# Altium PCB CableNodeRevG.PcbDoc (part 1 of 3) (continued)
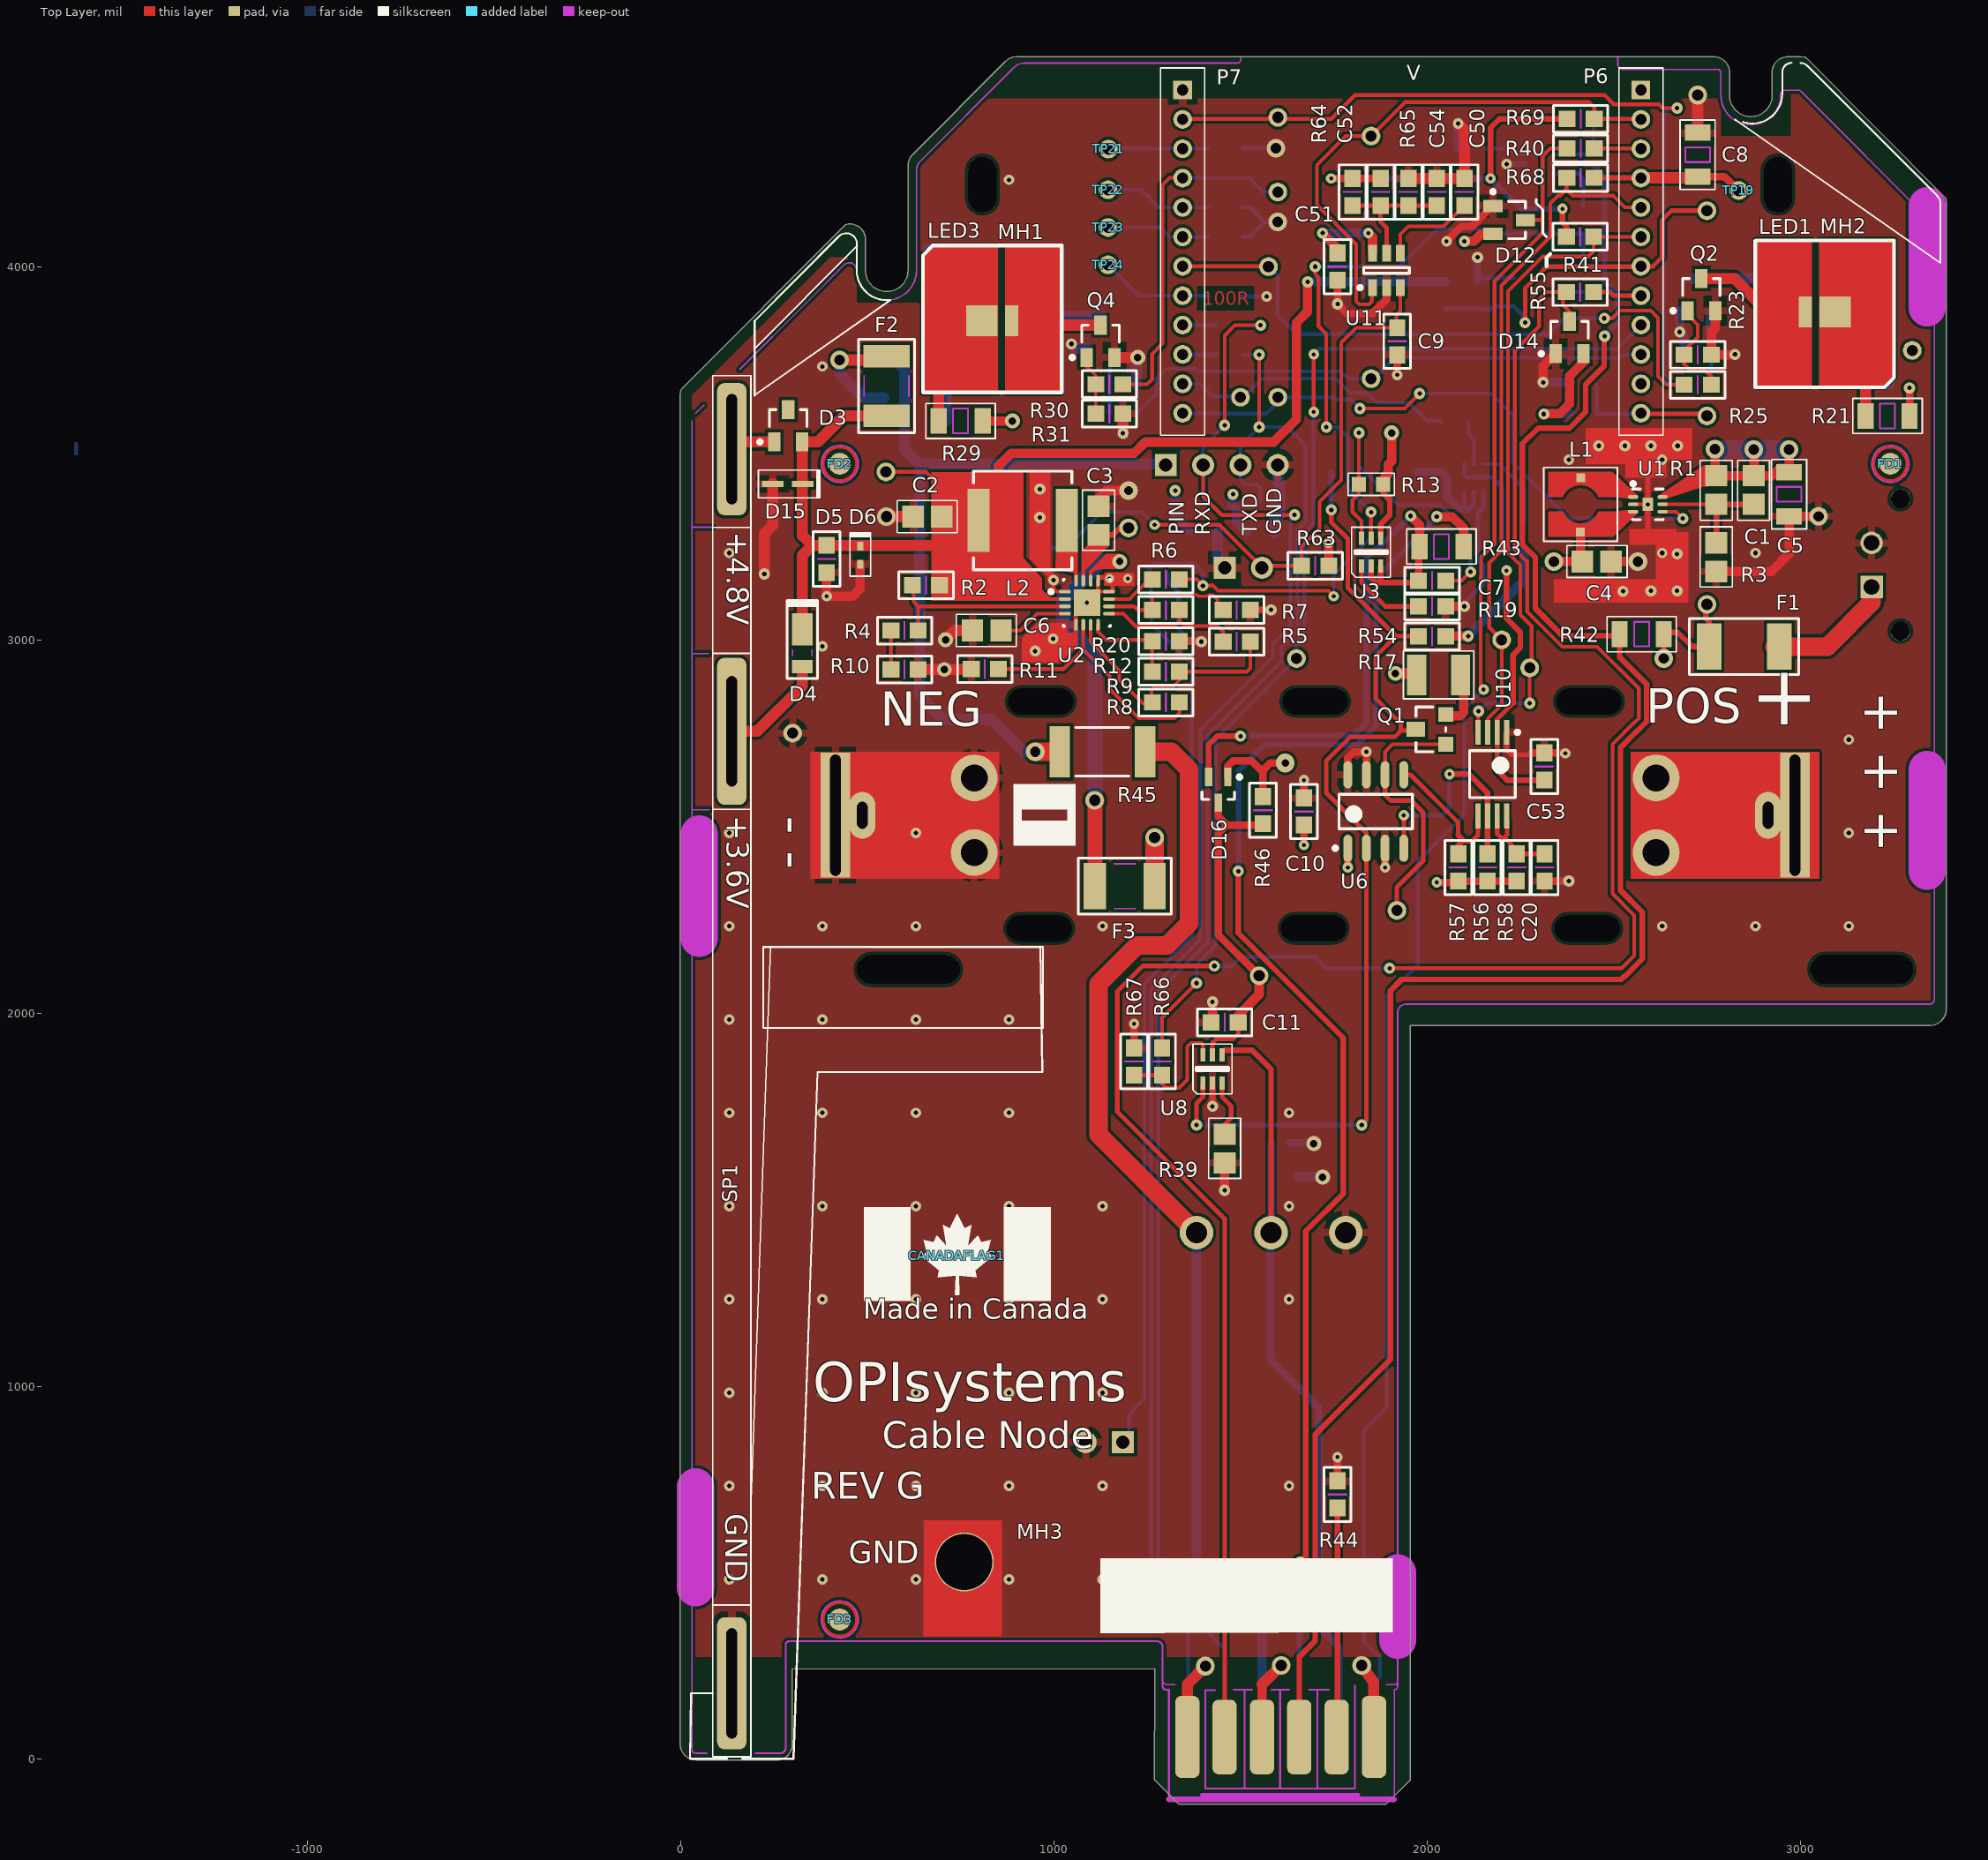
[diagram p0: Top Layer view]
## Design rules (kind name [scope] priority, off if disabled: settings)
AssemblyTestPointUsage [All] p1 off: valid=2
AssemblyTestpoint [All] p1 off: testpointundercomponent=TRUE minsize=40 maxsize=100 preferedsize=60 minholesize=0 maxholesize=40 preferedholesize=32 testpointgrid=1 usegrid=TRUE gridtolerance=0.01 allowsidetop=TRUE allowsidebottom=TRUE
Clearance Clearance_U10 [InComponent('U10')] p1: gap=5 ignorepadtopadclearanceinfootprint=FALSE except(0: Arc-Hole Track-Hole SMDPad-Hole THPad-Hole Via-Hole Fill-Hole Poly-Hole Region-Hole Text-Hole)
Clearance Clearance_U2 [InComponent('U2')] p2: gap=7.5 ignorepadtopadclearanceinfootprint=FALSE except(0: Arc-Hole Track-Hole SMDPad-Hole THPad-Hole Via-Hole Fill-Hole Poly-Hole Region-Hole Text-Hole)
Clearance Clearance_1 [All] p3: gap=8 ignorepadtopadclearanceinfootprint=FALSE except(0: Arc-Hole Track-Hole SMDPad-Hole THPad-Hole Via-Hole Fill-Hole Poly-Hole Region-Hole Text-Hole)
Clearance Clearance_Polies [(InNamedPolygon('Top GND') OR InNamedPolygon('Bottom GND'))] p4: gap=10 ignorepadtopadclearanceinfootprint=FALSE except(0: Arc-Hole Track-Hole SMDPad-Hole THPad-Hole Via-Hole Fill-Hole Poly-Hole Region-Hole Text-Hole)
Clearance Clearance_VBAT_POS [InNet('VBAT_POS')] p5: gap=20 ignorepadtopadclearanceinfootprint=FALSE except(0: Arc-Hole Track-Hole SMDPad-Hole THPad-Hole Via-Hole Fill-Hole Poly-Hole Region-Hole Text-Hole)
Clearance Clearance_BATT1 [InComponent('BATT1')] p6: gap=20 ignorepadtopadclearanceinfootprint=FALSE except(0: Arc-Hole Track-Hole SMDPad-Hole THPad-Hole Via-Hole Fill-Hole Poly-Hole Region-Hole Text-Hole)
Clearance Clearance_SP1 [InComponent('SP1')] p7: gap=30 ignorepadtopadclearanceinfootprint=FALSE except(0: Arc-Hole Track-Hole SMDPad-Hole THPad-Hole Via-Hole Fill-Hole Poly-Hole Region-Hole Text-Hole)
FabricationTestPointUsage [All] p1 off: valid=0 allowmultiple=FALSE
FabricationTestpoint [All] p1 off: side=3 testpointundercomponent=TRUE minsize=40 maxsize=100 preferedsize=60 minholesize=0 maxholesize=40 preferedholesize=32 testpointgrid=1 allowsidetop=TRUE allowsidebottom=TRUE usegrid=TRUE gridtolerance=0.01
Height [All] p1: minheight=0 maxheight=1200 prefheight=500
HoleSize [All] p1: absolutevalues=TRUE maxlimit=325 minlimit=1 maxpercent=80.000 minpercent=20.000
MinimumSolderMaskSliver MinimumSolderMaskSliver_1 [InComponent('U2')] p1: minsoldermaskwidth=1
MinimumSolderMaskSliver [InComponent('U2')] p2: minsoldermaskwidth=7
PasteMaskExpansion PasteMaskExpansion_1 [InComponent('P4')] p1: expansion=-130
PasteMaskExpansion [All] p2: expansion=0
PlaneClearance [All] p1: clearance=20
PlaneConnect [All] p1: planeconnectstyle=Relief reliefexpansion=20 reliefentries=4 reliefconductorwidth=20 reliefairgap=10
PlaneConnect PlaneConnect_1 [ISVIA] p2: planeconnectstyle=Direct reliefexpansion=20 reliefentries=4 reliefconductorwidth=10 reliefairgap=10
PolygonConnect PolygonConnect_1 [ISVIA] p1: connectstyle=Direct reliefconductorwidth=10 reliefentries=4 polygonreliefangle="90 Angle" airgapwidth=10
PolygonConnect [All] p2: connectstyle=Relief reliefconductorwidth=20 reliefentries=4 polygonreliefangle="90 Angle" airgapwidth=15
RoutingVias [All] p1: holewidth=11 width=28 viastyle="Through Hole" minholewidth=11 minwidth=28 maxholewidth=28 maxwidth=50
SilkToSilkClearance [All] p1: silktosilkclearance=5
SilkToSolderMaskClearance SilkscreenOverComponentPads [IsPad] p1 off: minsilkscreentomaskgap=6.5 clearancetoexposedcopper=TRUE
SolderMaskExpansion [All] p1: expansion=4 istentingtop=FALSE
Width [All] p1: maxlimit=50 minlimit=7 preferedwidth=10 minimp=50.000000 maximp=50.000000 favimp=50.000000
18 further rules are at their usual default settings.

## Components (designator, comment, footprint, x,y, rotation, side; value= is the part's Value field where it differs from the comment)
BATT1 "26650" Battery_26650 2985.69,2530 r180 bottom locked
C1 "22pF" RC0805 2875,3363.12 r90 top
C2 "4.7uF" RC0805 622.73,3330.01 r0 top
C3 "4.7uF" RC0805 1119.68,3358.01 r270 top
C4 "4.7uF" RC0805 2492.93,3210.01 r180 top
C5 "47uF" RC1206 2970,3390 r90 top
C6 "10nF" RC0805 781.48,3025.01 r0 top
C7 "10nF" RC0603 2013.58,3158.57 r0 top
C8 "47uF" RC1206 2725,4300 r270 top
C9 "0.1uF" RC0603 1920,3800 r90 top
C10 "0.1uF" RC0603 1670,2540 r270 top
C11 "0.1uF" RC0603 1457.59,1975 r180 top
C20 "0.1uF" RC0603 2315,2390 r90 top
C50 "10nF" RC0603 2100,4200 r270 top
C51 "0.1uF" RC0603 1760,4000 r90 top
C52 "0.1uF (NNP)" RC0603 1875.59,4200 r90 top
C53 "0.1uF" RC0603 2314,2660.55 r270 top
C54 "10nF" RC0603 2025.87,4200 r270 top
CANADAFLAG1 "Canada Flag" CanadaFlag500x250 740,1350 r0 top
CANADAFLAG2 "Canada Flag" CanadaFlag500x250 675,1345 r180 bottom
D1 "DFLS1200-7" POWERDI-123 544.54,3685 r270 bottom
D2 "PGB1010603NR" RC0603 1618.52,1561.66 r180 bottom
D3 "BAV99" SOT23 288.19,3573.66 r0 top
D4 "DFLS1200-7" POWERDI-123 326.19,2991.66 r90 top
D5 "PGB1010603NR" RC0603 391.19,3216.66 r90 top
D6 "ESD5B5.0ST1G" SOD-523 481.19,3226.66 r270 top
D8 "ESD5B5.0ST1G" SOD-523 1606.71,1651.66 r180 bottom
D9 "ESD5B5.0ST1G" SOD-523 1281,3178 r0 bottom
D10 "PGB1010603NR" RC0603 1297,3102 r180 bottom
D11 "BAV99" SOT23 1554,3330 r180 bottom locked
D12 "BAV99" SOT23 2220,4125 r270 top
D13 "BAV99" SOT23 1401.19,3330.01 r180 bottom locked
D14 "BAV99" SOT23 2381.74,3810 r0 top
D15 "DDZ5V6ASF-7" SOD323F 286.88,3417.66 r180 top
D16 "SDMG0340LC" SOT-323 1440.38,2597.9 r270 top
F1 "MINISMDC260F-2" MINISMDC260F 2850,2982.24 r0 top
F2 "MINISMDC050F-2" MINISMD050 551.48,3600 r90 top
F3 "MINISMDC050F-2" MINISMD050 1270,2340 r180 top
FD1 "Fiducial - Round" "FIDUCIAL ROUND SMALL" 3241.19,3471.66 r0 top locked
FD2 "Fiducial - Round" "FIDUCIAL ROUND SMALL" 426.19,3471.66 r0 top locked
FD3 "Fiducial - Round" "FIDUCIAL ROUND SMALL" 426.19,375 r0 top locked
J1 "CONN" BATTERYCONNECTOR 3191.19,3141.66 r270 bottom
L1 "3.6µH" IND-WURTH 2411.48,3363.12 r90 top
L2 "22µH" IND-SRR0604 916.48,3320.01 r0 top
LED1 "GH_JTLPS1.24-K5L2-1-1-150-R33" GHJTLPS124K5L211150R33#1 3065.48,3878.22 r180 top
LED2 "GH_JTLPS1.14-MFN8-25-1-150-R33" GHJTLPS124K5L211150R33#2 3065.54,3866.58 r180 bottom
LED3 "GH_JTLPS1.14-MFN8-25-1-150-R33" GHJTLPS124K5L211150R33#1 835,3854.76 r0 top
LED4 "GH_JTLPS1.24-K5L2-1-1-150-R33" GHJTLPS124K5L211150R33#1 836.11,3866.62 r0 bottom
MH1 "MountingHole" MountingHole#1 808.35,4240.41 r0 top
MH2 "MountingHole" MountingHole#2 2940,4220 r0 top
MH3 "MountingHole" MountingHole#3 759.73,529 r0 top
P1 "Header 1x2 RA" HDR1X2 1185.13,850 r180 bottom
P2 "Header 4 (NNP)" HDR1X4 1300,3468.21 r0 bottom
P3 "Header 2 (NNP)" HDR1X2 1457.59,3192.91 r0 bottom
P4 "CARDEDGE-06-12" EDGECONNECTORFINGERS 1857.59,60 r180 bottom
P5 "1759020" PC-1759020 1382.1,1411.74 r0 bottom
P6 "3M-950512-6102-AR" HEADER1X12-2MM 2573,4473.43 r270 top
P7 "3M-950512-6102-AR" HEADER1X12-2MM 1345,4473.43 r270 top
Q1 "SI2301BDS" SOT23(DGS) 1970,2760 r90 top
Q2 "SI2302CDS" SOT23 2735,3925 r0 top
Q3 "SI2302CDS" SOT23 2714.58,3925 r180 bottom
Q4 "SI2302CDS" SOT23 1125,3800 r0 top
Q5 "SI2302CDS" SOT23 1125,3825 r180 bottom
Q6 "MMBFJ270" SOT23 2275,3931.89 r90 bottom
R1 "3.24M" RC0805 2775,3363.12 r90 top
R2 "3.83M" RC0603 657.26,3146.64 r0 top
R3 "1.02M" RC0805 2775,3259.81 r270 top
R4 "7.5M" RC0603 600,3025 r0 top
R5 "2M0" RC0603 1490,2995 r0 top
R6 "3.83M" RC0603 1300,3080 r0 top
R7 "4M22" RC0603 1490,3080 r0 top
R8 "4.75M" RC0603 1300,2832.39 r0 top
R9 "3.83M" RC0603 1300,2914.74 r0 top
R10 "7.5M" RC0603 600,2920.64 r0 top
R11 "4M99" RC0603 815,2921.66 r180 top
R12 "5.36M" RC0603 1300,2996.61 r0 top
R13 "1M0" RESC1608X06N 1850,3416.37 r0 top
R15 "27R" RC0603 2075,3582.38 r0 bottom
R16 "10K" RC0603 2259.84,3280.51 r270 bottom
R17 "51R1" RC3225X07N 2031,2906 r0 top
R18 "24R" RES2512 1857.59,3450 r180 bottom
R19 "100K" RC0603 2013.58,3089.67 r0 top
R20 "10K" RC0603 1300,3162.09 r180 top
R21 "22R" RC1206 3233.72,3600 r180 top
R22 "12R" RC1206 3233.72,3600 r180 bottom
R23 "10K" RC0603 2725,3764 r0 top
R24 "10K" RC0603 2725,3764 r180 bottom
R25 "1K" RC0603 2725,3683.51 r0 top
R26 "1K" RC0603 2725,3685 r0 bottom
R27 "100R" RC0603 1470,3843 r0 bottom
R28 "100R" RC0603 1470,3764 r0 bottom
R29 "12R" RC1206 750,3586.64 r180 top
R30 "1K" RC0603 1148.72,3685 r180 top
R31 "10K" RC0603 1148.72,3606 r0 top
R32 "22R" RC1206 770,3586.64 r180 bottom
R33 "1K" RC0603 1185.13,3606 r180 bottom
R34 "10K" RC0603 1185.13,3685 r0 bottom
R35 "1M0" RC0603 2420,3606 r0 bottom
R36 "1M0" RC0603 2050,3925 r270 bottom
R37 "715K" RC0603 2420,3690 r0 bottom
R38 "432K" RC0603 2135.24,3925 r270 bottom
R39 "330R" RC0805 1457.59,1675 r270 top
R40 "100R" RC0603 2411.48,4317 r0 top
R41 "100R" RC0603 2410,3931.89 r0 top
R42 "12R" RC1206 2575,3015.24 r180 top
R43 "12R" RC1206 2038.58,3250 r0 top
R44 "10K" RC0603 1760,710 r270 top
R45 "12R" RES2512 1130,2700 r180 top
R46 "0R" RC0603 1560,2543.58 r270 top
R47 "100R" RC0603 2417.93,3968.31 r90 bottom
R50 "10K (NNP)" RC0603 1470,4317 r0 bottom
R51 "10K" RC0603 1470,4160 r0 bottom
R52 "10K" RC0603 1470,4080 r0 bottom
R53 "10K" RC0603 1470,3920 r0 bottom
R54 "2K0" RC0603 2013.58,3009.31 r180 top
R55 "4k7" rc0603 2410,4080 r180 top
R56 "4k7" rc0603 2162.2,2390 r270 top
R57 "4k7" rc0603 2083.51,2390 r270 top
R58 "200K" rc0603 2240,2390 r90 top
R60 "100R" RC0603 2115,4317 r180 bottom
R62 "1K" RC0603 2418.16,4125 r270 bottom
R63 "10K" RC0603 1700.26,3198.47 r180 top
R64 "3M65" rc0603 1800,4200 r270 top
R65 "715K" RC0603 1950,4200 r270 top
R66 "100R" RC0603 1290,1870 r270 top
R67 "100K" RC0603 1215,1870 r90 top
R68 "4k7" rc0603 2411.2,4238 r0 top
R69 "10K" RC0603 2411.48,4396 r0 top
SP1 "MPT3.6-300" SOLAR_PANEL_FLEX 137.01,6.95 r90 top
SW1 "MK15-E-2" MK15-E-2 585.51,3245.64 r0 bottom
TP1 "Testpoint" TESTPOINT#1 550,3450 r180 bottom
TP2 "Testpoint" TESTPOINT#2 1201.19,3303 r180 bottom
TP3 "Testpoint" TESTPOINT#3 2750,3150 r180 bottom
TP4 "Testpoint" TESTPOINT#4 3300,3750 r180 bottom
TP5 "Testpoint" TESTPOINT#1 1550,2100 r180 bottom
TP6 "Testpoint" TESTPOINT#5 2000,2250 r180 bottom
TP7 "Testpoint" TESTPOINT#6 1600,4000 r180 bottom
TP8 "Testpoint" TESTPOINT#1 1600,4400 r180 bottom
TP9 "Testpoint" TESTPOINT#7 1600,4300 r180 bottom
TP10 "Testpoint" TESTPOINT#8 1900,3748.98 r180 bottom
TP11 "Testpoint" TESTPOINT#9 2750,3582.38 r180 bottom
TP12 "Testpoint" TESTPOINT#10 2725,4125 r180 bottom
TP13 "Testpoint" TESTPOINT#1 1600,3650 r180 bottom
TP14 "Testpoint" TESTPOINT#11 2300,2900 r180 bottom
TP15 "Testpoint" TESTPOINT#1 2200,3000 r180 bottom
TP16 "Testpoint" TESTPOINT#12 1535,3640 r180 bottom
TP17 "Testpoint" TESTPOINT#13 1750,2950 r180 bottom
TP18 "Testpoint" TESTPOINT#14 348.69,2750 r180 bottom
TP19 "Testpoint" TESTPOINT#1 2835,4203.92 r90 top
TP20 "Testpoint" TESTPOINT#6 1850,4375 r270 bottom
TP21 "Testpoint" TESTPOINT#15 1150,4350 r90 top
TP22 "Testpoint" TESTPOINT#16 1140,4249.41 r90 top
TP23 "Testpoint" TESTPOINT#17 1140,4150 r90 top
TP24 "Testpoint" TESTPOINT#18 1145,4030 r90 top
U1 "LTC3526LBEDC-2" LTC3526 2591.48,3363.12 r270 top
U2 "BQ25504RGT" BQ25504 1088.68,3099.51 r0 top
U3 "FDG6342L" TS5A3160 1850,3235 r90 top
U5 "FDG6342L" TS5A3160 2125,3433.46 r90 bottom
U6 "DS2482S-100+" SOIC127P580X153-8N 1862.5,2540 r90 top
U8 "NLAS4157D" TS5A3160 1425,1850 r90 top
U9 "NLAS4157D" TS5A3160 2300,4275 r0 bottom
U10 "PCA9306DP" TSOP65P640X120-8N 2175,2640 r270 top
U11 "TPS3808G01DBV" SOT95P270X145-6N 1891.26,3990 r90 top

## Footprints (in the part's own frame and the unit in brackets; to place one, negate y for a bottom-side part, rotate by r counter-clockwise, add the part's x,y. Pads: shape width x height; smd on the part's side, far side on the other; paste and mask are expansions set on the pad)
Battery_26650 [mil] "Battery, 26mm x 65mm, Keystone Clips + Solder Tabs"
  oval 173.23x59.06 hole 70 slot 175 at 0 deg unplated: 0(552.28,304.88) 0(556.22,-303.27) 0(1285.43,305) 0(1289.37,-303.15) 0(2020.87,304.88) 0(2024.8,-303.27)
  rect 78.74x334.65 hole 28 slot 324.8 at 90 deg: 1(0,0) 5(2570.87,0)
  oval 70x125 hole 28 slot 72 at 90 deg: 2(72,0) 6(2499,0)
  round 125 hole 72: 3(372,100) 4(372,-100) 7(2199,100) 8(2199,-100)
  Top Layer region: -65,170 -65,-170 440,-170 440,170
  Top Layer region: 2637,-170 2637,170 2132,170 2132,-170
  Bottom Layer region: -65,170 -65,-170 440,-170 440,170
  Bottom Layer region: 2637,-170 2637,170 2132,170 2132,-170
  silkscreen extent -80,-354 2651,518, body extent -2,-508 2557,512, height 1023
BATTERYCONNECTOR [mm] "Molex Header, 0436500215, 2Pin, 3MM"
  rect 1.524x1.524 hole 1.07: 1(0,0)
  round 1.524 hole 1.07: 2(-3.001,0.001)
  round 1.32 hole 1.32 unplated: 3(-6,-1.96) 4(3,-1.96)
  silkscreen extent -6.3,-2.49 3.36,3.08, body extent -6.29,-2.49 3.36,3.08, height 9.95
BQ25504 [mm] "QFN, 16-Leads, Body 3.2x3.2mm (max), Pitch 0.50mm, IPC Medium Density"
  oval 0.8x0.25 smd: 1(-1.5,0.75) 2(-1.5,0.25) 3(-1.5,-0.25) 4(-1.5,-0.75) 9(1.5,-0.75) 10(1.5,-0.25) 11(1.5,0.25) 12(1.5,0.75)
  oval 0.25x0.8 smd: 5(-0.75,-1.5) 6(-0.25,-1.5) 7(0.25,-1.5) 8(0.75,-1.5) 13(0.75,1.5) 14(0.25,1.5) 15(-0.25,1.5) 16(-0.75,1.5)
  rect 1.8x1.8 smd: 17(0,0)
  silkscreen extent -2.57,-1.6 1.6,1.6, body extent -1.58,-1.58 1.58,1.58, height 1
CanadaFlag500x250 [mil] "CanadaFlag, 500x250 mils"
  silkscreen extent -249,-121 251,129
EDGECONNECTORFINGERS [mil] "Connector, Edge, Fingers, 12 Pads, 2 Rows, 6 Contacts per row"
  rrect50% 65x200 smd: 1(0,0) 3(100,0) 5(200,0) 7(300,0) 9(400,0) 11(500,0)
  rrect50% 65x220 smd far side: 2(0,0) 12(500,0)
  rrect50% 65x200 smd far side: 4(100,0) 6(200,0) 8(300,0) 10(400,0)
"FIDUCIAL ROUND SMALL" [mm] "FIDUCIAL ROUND"
  round 1.5 all layers, no hole paste+0 mask+0.559: 0(0,0)
  Top Layer circle w0.203: c0,0 r1.143
  Bottom Layer circle w0.203: c0,0 r1.143
  Keep-Out Layer circle w0.1: c0,0 r1.27
GHJTLPS124K5L211150R33#1 [mm]
  rect 2.12x2.1 smd: A(-0.705,0)
  rect 0.92x2.1 smd: K(1.315,0)
  Top Layer region: 0.381,-4.92 0.381,5.08 -4.088,5.08 -4.738,4.43 -4.738,-4.92
  Top Layer region: 4.667,-4.92 4.667,5.08 0.889,5.08 0.889,-4.92
  silkscreen extent -4.72,-4.87 4.72,5.13, body extent -1.75,-1.4 1.75,1.4, height 0.65
GHJTLPS124K5L211150R33#2 [mm]
  rect 2.12x2.1 smd: 22(-0.705,0)
  rect 0.92x2.1 smd: K(1.315,0)
  Top Layer region: 0.381,-4.92 0.381,5.08 -4.088,5.08 -4.738,4.43 -4.738,-4.92
  Top Layer region: 4.667,-4.92 4.667,5.08 0.889,5.08 0.889,-4.92
  silkscreen extent -4.72,-4.87 4.72,5.13, body extent -1.75,-1.4 1.75,1.4, height 0.65
HDR1X2 [mm] "Connector; Header; 2 Position"
  rect 1.5x1.5 hole 0.9: 1(0,0)
  round 1.5 hole 0.9: 2(2.54,0)
  silkscreen extent -1.27,-1.27 3.81,1.27
HDR1X4 [mm] "Connector; Header; 4 Position"
  rect 1.5x1.5 hole 0.9: 1(0,0)
  round 1.5 hole 0.9: 2(2.54,0) 3(5.08,0) 4(7.62,0)
  silkscreen extent -1.27,-1.27 8.89,1.27
HEADER1X12-2MM [mil] "Connector, Header, 1x12 positions, Male, 2mm pitch"
  rect 50x50 hole 30: 1(0,0)
  round 50 hole 30: 2(78.74,0) 3(157.48,0) 4(236.22,0) 5(314.96,0) 6(393.7,0) 7(472.44,0) 8(551.18,0) 9(629.92,0) 10(708.66,0) 11(787.4,0) 12(866.14,0)
  silkscreen extent -59,-59 925,59
IND-SRR0604 [mm]
  rect 1.5x4.3 smd: A(-3,0) B(3,0)
  silkscreen extent -3.35,-3.35 3.35,3.35, body extent -3.35,-3.35 3.35,3.35, height 4.8
IND-WURTH [mm] "Precision Wire Wound Inductor, 2-Leads, Body 3.8x3.8mm, IPC Medium Density"
  rect 0.6x0.6 smd: A(-1.894,0.006) B(1.818,0)
  Top Layer region: 0.505,-2.144 0.505,-1.228 0.509,-1.209 0.52,-1.193 0.52,-1.193 0.52,-1.193 0.527,-1.186 0.536,-1.181 0.536,-1.181 0.941,-0.897 1.211,-0.481 1.305,0.006 1.305,0.006 1.211,0.492 0.941,0.908 0.536,1.193 0.536,1.193 0.536,1.193 0.52,1.204 0.509,1.22 0.505,1.24 0.505,1.24 0.505,2.156 0.509,2.176 0.52,2.192 0.537,2.203 0.556,2.207 0.556,2.207 2.155,2.207 2.175,2.203 2.191,2.192 2.191,2.192 2.192,2.192 2.192,2.192 2.192,2.192 2.192,2.192 2.192,2.191 2.192,2.191 2.191,2.192 2.191,2.192 2.192,2.192 2.192,2.192 2.192,2.192 2.192,2.192 2.192,2.191 2.192,2.191 2.192,2.191 2.203,2.175 2.207,2.155 2.207,2.155 2.207,-2.145 2.203,-2.166 2.19,-2.183 2.171,-2.194 2.149,-2.195 2.149,-2.195 0.557,-2.195 0.537,-2.191 0.52,-2.18 0.509,-2.164 0.505,-2.144
  Top Layer region: -2.201,-2.15 -2.201,2.15 -2.197,2.169 -2.186,2.186 -2.186,2.186 -2.185,2.186 -2.168,2.198 -2.149,2.201 -2.149,2.201 -0.55,2.201 -0.53,2.198 -0.514,2.186 -0.503,2.17 -0.499,2.15 -0.499,2.15 -0.499,1.234 -0.502,1.215 -0.513,1.198 -0.529,1.187 -0.529,1.187 -0.529,1.187 -1.001,0.828 -1.265,0.297 -1.265,-0.296 -1.001,-0.828 -0.529,-1.187 -0.529,-1.187 -0.521,-1.192 -0.513,-1.198 -0.513,-1.198 -0.513,-1.198 -0.502,-1.215 -0.499,-1.234 -0.499,-1.234 -0.499,-2.15 -0.503,-2.169 -0.514,-2.186 -0.53,-2.197 -0.55,-2.201 -0.55,-2.201 -2.142,-2.201 -2.164,-2.199 -2.183,-2.189 -2.196,-2.172 -2.201,-2.15
  silkscreen extent -2.52,-2.51 2.52,2.51, body extent -2.05,-2.05 2.05,2.05, height 1.8
LTC3526 [mm] "QFN, 6-Leads, Pitch 0.50mm, IPC Medium Density"
  oval 0.25x0.7 smd: 1(-0.5,-1) 2(0,-1) 3(0.5,-1) 4(0.5,1) 5(0,1) 6(-0.5,1)
  rect 0.9x0.7 smd: 7(0,0)
  silkscreen extent -1.52,-1.12 1.05,1.05, body extent -1.05,-1.05 1.05,1.05, height 0.8
MINISMD050 [mil] "Polyfuse,"
  rect 60x124 smd: 1(0,0) 2(160,0)
  Top Layer keep-out lines w4: 52,60 108,60 ; 52,-60 108,-60
  silkscreen extent -45,-75 205,75
MINISMDC260F [mm] "Polyfuse, Body 45x32mm, Case 1812"
  rect 1.68x3.15 smd: 1(-2.39,0) 2(2.39,0)
  silkscreen extent -3.74,-1.91 3.71,1.91, body extent -2.39,-1.65 2.61,1.65, height 2.84
MK15-E-2 [mm] "Reed Switch, 2-Leads, Body 16x2.84mm, IPC Medium Density"
  rect 2.34x1.3 smd: 1(-9.17,0) 2(9.17,0)
  silkscreen extent -10.79,-1.5 10.78,1.5, body extent -7.54,-1.4 7.56,1.4, height 2.84
MountingHole#1 [mil] "PCB Mounting Hole, 0.150\" hole, 0.270\" Keepout"
  oval 75x150 hole 75 slot 150 at 90 deg: 1(0,-20.41)
MountingHole#2 [mil] "PCB Mounting Hole, 0.150\" hole, 0.270\" Keepout"
  oval 75x150 hole 75 slot 150 at 90 deg: 1(0,0)
MountingHole#3 [mil] "PCB Mounting Hole, 0.150\" hole, 0.270\" Keepout"
  round 157.48 hole 150: 1(0,0)
PC-1759020 [mil] "Connector, 3 Pin, Right Angle, Phoenix Contact, PTH"
  round 90 hole 57: 1(0,0) 2(200,0) 3(400,0)
  silkscreen extent -140,-79 538,393, body extent -102,-79 498,394, height 339
POWERDI-123 [mm] "Molded Diode, DFLS1200, 2-Leads, Body 2.8x1.8mm, IPC Medium Density"
  rect 0.9x1.4 smd: 1(-1.625,0)
  rect 2.2x1.4 smd: 2(0.925,0)
  silkscreen extent -2.41,-1.04 2.9,1.04, body extent -1.5,-0.96 1.5,0.96, height 1
RC0603 [mm] "Resistor, Capacitor, 0603"
  rect 1.15x1.1 smd: 1(-0.925,0) 2(0.925,0)
  Top Layer keep-out lines w0.127: 0,-0.6 0,0.6
  silkscreen extent -1.85,-0.91 1.85,0.91, body extent -0.87,-0.48 0.88,0.47, height 0.55
rc0603 [mm] "Resistor, Capacitor, 0603"
  rect 1.15x1.1 smd: 1(-0.925,0) 2(0.925,0)
  Top Layer keep-out lines w0.127: 0,0.6 0,-0.6
  silkscreen extent -1.85,-0.91 1.85,0.91, body extent -0.87,-0.48 0.88,0.47, height 0.55
RC0805 [mm]
  rect 1.45x1.5 smd: 1(0,0) 2(1.95,0)
  silkscreen extent -1.09,-1.09 3,1.09, body extent -0.08,-0.67 2.02,0.67, height 0.5
RC1206 [mm] "1206 Footprint"
  rect 1.1x1.75 smd: 1(-1.5,0) 2(1.5,0)
  Top Layer keep-out lines w0.127: -0.508,0.838 -0.508,-0.838 0.508,-0.838 0.508,0.838 -0.508,0.838
  silkscreen extent -2.36,-1.19 2.36,1.19, body extent -1.6,-0.85 1.6,0.85, height 0.65
RC3225X07N [mm] "Chip Resistor, 2-Leads, Body 3.2x2.5mm, IPC Medium Density"
  rect 1.3x2.75 smd: 1(-1.5,0) 2(1.5,0)
  silkscreen extent -2.4,-1.62 2.4,1.63, body extent -1.7,-1.35 1.7,1.35, height 0.7
RES2512 [mm]
  rect 1.4x3.5 smd: 1(-2.9,0) 2(2.9,0)
  silkscreen extent -1.8,-1.65 1.8,1.65, body extent -3.25,-1.73 3.25,1.72, height 0.7
RESC1608X06N [mm] "Chip Resistor, 2-Leads, Body 1.6x0.8mm, IPC Medium Density"
  rect 0.95x1 smd: 1(-0.825,0) 2(0.825,0)
  silkscreen extent -1.58,-0.75 1.58,0.76, body extent -0.87,-0.48 0.87,0.47, height 0.55
SOD323F [mm] "SOD323F, 2-Leads, Body 1.4x1.8mm (max), Pitch 0.65mm, IPC Medium Density"
  rect 1.45x0.4 smd: 1(-1.025,0) 2(1.025,0)
  silkscreen extent -2.2,-0.95 2,0.95, body extent -0.9,-0.67 0.9,0.67, height 0.75
SOD-523 [mm] "Molded Diode, 2-Leads, Body 1.2x0.8mm, IPC Medium Density"
  rect 0.6x0.4 smd: 1(-0.625,0) 2(0.625,0)
  silkscreen extent -1.52,-0.7 1.43,0.7, body extent -0.65,-0.45 0.65,0.45, height 0.7
SOIC127P580X153-8N [mm] "SOIC, 8-Leads, Body 5.0x4.0mm (max), Pitch 1.27mm, IPC Medium Density"
  oval 1.85x0.6 smd: 1(-2.5,1.905) 2(-2.5,0.635) 3(-2.5,-0.635) 4(-2.5,-1.905) 5(2.5,-1.905) 6(2.5,-0.635) 7(2.5,0.635) 8(2.5,1.905)
  silkscreen extent -2.62,-2.5 1.17,2.88, body extent -2,-2.5 2,2.5, height 1.53
SOLAR_PANEL_FLEX [mm] "Solar Panel, Flexible, 3.6V and 4.8V footprints"
  rrect50% 9x2 hole 0.711 slot 7.5 at 0 deg: 1(5,0) 3(89,0)
  rrect50% 10x2 hole 0.711 slot 7.5 at 0 deg: 2(69.8,0)
  silkscreen extent 0,-1.3 94,1.3
SOT23 [mm] "SOT-23; 3 Leads; Body 3.0 x 2.6 mm, inc. leads (LxW max)"
  rect 0.85x1.3 smd: 1(-0.95,-1.1) 2(0.95,-1.1) 3(0,1.1)
  silkscreen extent -2.05,-1.22 1.28,1.1
SOT23(DGS) [mil]
  rect 40x50 smd: D(0,0)
  rect 40x40 smd: G(-40,-80) S(40,-80)
  silkscreen extent -60,-80 60,0, body extent -50,-60 50,-15, height 37
SOT95P270X145-6N [mm] "SOT23, 6-Leads, Body 3.1x3.2mm (max), Pitch 0.95mm, IPC Medium Density"
  rect 1.15x0.6 smd: 1(-1.175,0.95) 2(-1.175,0) 3(-1.175,-0.95) 4(1.175,-0.95) 5(1.175,0) 6(1.175,0.95)
  silkscreen extent -1.3,-1.55 0.2,1.92, body extent -0.9,-1.55 0.9,1.55, height 1.45
SOT-323 [mm] "SOT323, 3-Leads, Body 1.97x2.10mm, Pitch 0.65mm, IPC Medium Density"
  rect 1.25x0.5 smd: 1(-0.875,0.65) 2(-0.875,-0.65) 3(0.875,0)
  silkscreen extent -1,-1.1 0.65,1.58, body extent -0.65,-1.07 0.65,1.08, height 1.1
TESTPOINT#1 [mil] "Thru Hole Multilayer Testpoint"
  round 50 hole 30: 1(0,0)
TESTPOINT#2 [mil] "Thru Hole Multilayer Testpoint"
  round 50 hole 30: 1(1.19,-3)
TESTPOINT#3 [mil] "Thru Hole Multilayer Testpoint"
  round 50 hole 30: 1(0,-55.1)
TESTPOINT#4 [mil] "Thru Hole Multilayer Testpoint"
  round 50 hole 30: 1(0,25.46)
TESTPOINT#5 [mil] "Thru Hole Multilayer Testpoint"
  round 50 hole 30: 1(80.84,25)
TESTPOINT#6 [mil] "Thru Hole Multilayer Testpoint"
  round 50 hole 30: 1(25,0)
TESTPOINT#7 [mil] "Thru Hole Multilayer Testpoint"
  round 50 hole 30: 1(0,-100)
TESTPOINT#8 [mil] "Thru Hole Multilayer Testpoint"
  round 50 hole 30: 1(50,-48.98)
TESTPOINT#9 [mil] "Thru Hole Multilayer Testpoint"
  round 50 hole 30: 1(0,17.62)
TESTPOINT#10 [mil] "Thru Hole Multilayer Testpoint"
  round 50 hole 30: 1(-25,25)
TESTPOINT#11 [mil] "Thru Hole Multilayer Testpoint"
  round 50 hole 30: 1(25,25)
TESTPOINT#12 [mil] "Thru Hole Multilayer Testpoint"
  round 50 hole 30: 1(35,10)
TESTPOINT#13 [mil] "Thru Hole Multilayer Testpoint"
  round 50 hole 30: 1(100,0)
TESTPOINT#14 [mil] "Thru Hole Multilayer Testpoint"
  round 50 hole 30: 1(48.69,0)
TESTPOINT#15 [mil] "Thru Hole Multilayer Testpoint"
  round 50 hole 30: 1(-35,4)
TESTPOINT#16 [mil] "Thru Hole Multilayer Testpoint"
  round 50 hole 30: 1(-43.38,-5)
TESTPOINT#17 [mil] "Thru Hole Multilayer Testpoint"
  round 50 hole 30: 1(-45,-5)
TESTPOINT#18 [mil] "Thru Hole Multilayer Testpoint"
  round 50 hole 30: 1(-25,0)
TS5A3160 [mm] "SOT23, 6-Leads, Body 2.2x2.4mm (max), Pitch 0.65mm, IPC Medium Density"
  rect 0.9x0.35 smd: 1(-0.95,0.65) 2(-0.95,0) 3(-0.95,-0.65) 4(0.95,-0.65) 5(0.95,0) 6(0.95,0.65)
  silkscreen extent -1.7,-1.32 1.7,1.33, body extent -0.7,-1.07 0.7,1.08, height 1.1
TSOP65P640X120-8N [mm] "TSOP, 8-Leads, Body 3.00x4.40mm, Pitch 0.65mm, IPC Medium Density"
  rect 1.7x0.35 smd: 1(-2.85,0.975) 2(-2.85,0.325) 3(-2.85,-0.325) 4(-2.85,-0.975) 5(2.85,-0.975) 6(2.85,-0.325) 7(2.85,0.325) 8(2.85,0.975)
  silkscreen extent -2.97,-1.55 1.6,1.83, body extent -2.25,-1.55 2.25,1.55, height 1.2

## Part data
BATT1: library part BATT_18650_1, "26650 LiFePO4 3.2V 3300mAh", Manufacturer=TACBattery, Manufacturer Part Number="26650 3.2V 1500mAh with wire", OPI_VID=101392
C1: library part CC0805JRNPO9BN220, "CAP CER 22PF 50V 5% NPO 0805", Manufacturer=Yageo, Operating Temperature="-55°C ~ 125°C", Package / Case="0805 (2012 Metric)", Ratings=-, Supplier Part Number 1=311-1103-2-ND, Temperature Coefficient="C0G, NP0", Tolerance=±5%, Voltage - Rated=50V, Applications="General Purpose", Capacitance=22pF, Category=Capacitors, ComponentLink1Description=http://www.yageo.com/documents/recent/UPY-GP_NP0_16V-to-50V_8.pdf, ComponentLink1URL=http://www.yageo.com/documents/recent/UPY-GP_NP0_16V-to-50V_8.pdf, Features=-, Height - Seated (Max)=-, Lead Spacing=-, Lead Style=-, Manufacturer Part Number=CC0805JRNPO9BN220, Mounting Type="Surface Mount, MLCC", OPI_VID=100045, Packaging="Tape & Reel (TR)", Pricing 1="4000=0.0128, 8000=0.01169, 12000=0.01113, 28000=0.01057, 100000=0.00765 (CAD)", RoHS="RoHS Compliant", Size / Dimension="0.079\" L x 0.049\" W (2.00mm x 1.25mm)", Stock 1=184000, Supplier 1=Digi-Key, Thickness (Max)="0.024\" (0.60mm)"
C2 C3 C4: library part JMK212BJ475KG-T, "CAP CER 4.7UF 6.3V 10% X5R 0805", Capacitance=4.7µF, Manufacturer="Taiyo Yuden", Operating Temperature="-55°C ~ 85°C", Package / Case="0805 (2012 Metric)", Ratings=-, Supplier Part Number 1=587-1302-2-ND, Temperature Coefficient=X5R, Tolerance=±10%, Voltage - Rated=6.3V, Applications="General Purpose", Category=Capacitors, ComponentLink1Description=http://www.yuden.co.jp/productdata/catalog/en/mlcc01_e.pdf, ComponentLink1URL=http://www.yuden.co.jp/productdata/catalog/en/mlcc01_e.pdf, Features=-, Height - Seated (Max)=-, Lead Spacing=-, Lead Style=-, Manufacturer Part Number=JMK212BJ475KG-T, Mounting Type="Surface Mount, MLCC", OPI_VID=101023, Packaging="Tape & Reel (TR)", Pricing 1="3000=0.02419, 6000=0.02213, 9000=0.02059, 15000=0.01956, 30000=0.01853 (CAD)", RoHS="RoHS Compliant", Size / Dimension="0.079\" L x 0.049\" W (2.00mm x 1.25mm)", Stock 1=114000, Supplier 1=Digi-Key, Thickness (Max)="0.053\" (1.35mm)"
C5 C8: library part LMK316BJ476ML-T, "CAP CER 47UF 10V 20% X5R 1206", Capacitance=47µF, Manufacturer="Taiyo Yuden", Operating Temperature="-55°C ~ 85°C", Package / Case="1206 (3216 Metric)", Ratings=-, Supplier Part Number 1=587-1780-2-ND, Temperature Coefficient=X5R, Tolerance=±20%, Voltage - Rated=10V, Applications="General Purpose", Category=Capacitors, ComponentLink1Description=http://www.yuden.co.jp/productdata/catalog/en/mlcc01_e.pdf, ComponentLink1URL=http://www.yuden.co.jp/productdata/catalog/en/mlcc01_e.pdf, Features=-, Height - Seated (Max)=-, Lead Spacing=-, Lead Style=-, Manufacturer Part Number=LMK316BJ476ML-T, Mounting Type="Surface Mount, MLCC", OPI_VID=101319, Packaging="Tape & Reel (TR)", Pricing 1="2000=0.20677, 4000=0.19298, 10000=0.18609, 14000=0.18333, 50000=0.17575 (CAD)", RoHS="RoHS Compliant", Size / Dimension="0.126\" L x 0.063\" W (3.20mm x 1.60mm)", Stock 1=38000, Supplier 1=Digi-Key, Thickness (Max)="0.071\" (1.80mm)"
C6: library part C2012X7R2A103K, "CAP CER 10000PF 100V X7R 0805", Capacitance=10000pF, Manufacturer="TDK Corporation", Operating Temperature="-55°C ~ 125°C", Package / Case="0805 (2012 Metric)", Ratings=-, Supplier Part Number 1=445-1343-2-ND, Temperature Coefficient=X7R, Tolerance=±10%, Voltage - Rated=100V, Applications="General Purpose", Category=Capacitors, ComponentLink1Description=http://www.tdk.com/pdf/mid_volt_B11.pdf, ComponentLink1URL=http://www.tdk.com/pdf/mid_volt_B11.pdf, Features=-, Height - Seated (Max)=-, Lead Spacing=-, Lead Style=-, Manufacturer Part Number=C2012X7R2A103K, Mounting Type="Surface Mount, MLCC", OPI_VID=101320, Packaging="Tape & Reel (TR)", Pricing 1="4000=0.01844, 8000=0.01716, 12000=0.0163, 28000=0.01544, 100000=0.01169 (CAD)", RoHS="RoHS Compliant", Size / Dimension="0.079\" L x 0.049\" W (2.00mm x 1.25mm)", Stock 1=44000, Supplier 1=Digi-Key, Thickness (Max)="0.037\" (0.95mm)"
C7 C50 C54: library part C1608X7R1H103K, "CAP CER 10000PF 50V 10% X7R 0603", Capacitance=10000pF, Manufacturer="TDK Corporation", Operating Temperature="-55°C ~ 125°C", Package / Case="0603 (1608 Metric)", Ratings=-, Supplier Part Number 1=445-1311-2-ND, Temperature Coefficient=X7R, Tolerance=±10%, Voltage - Rated=50V, Applications="General Purpose", Category=Capacitors, ComponentLink1Description=http://www.tdk.com/pdf/general_B11.pdf, ComponentLink1URL=http://www.tdk.com/pdf/general_B11.pdf, Features=-, Height - Seated (Max)=-, Lead Spacing=-, Lead Style=-, Manufacturer Part Number=C1608X7R1H103K, Mounting Type="Surface Mount, MLCC", OPI_VID=101017, Packaging="Tape & Reel (TR)", Pricing 1="4000=0.00488, 8000=0.00445, 12000=0.00424, 28000=0.00403, 100000=0.00292 (CAD)", RoHS="RoHS Compliant", Size / Dimension="0.063\" L x 0.031\" W (1.60mm x 0.80mm)", Stock 1=292000, Supplier 1=Digi-Key, Thickness (Max)="0.037\" (0.95mm)"
C9 C10 C11 C20 C51 C52 C53: library part 0603YC104KAT2A, "CAP CERM .1UF 10% 16V X7R 0603", Capacitance=0.1µF, Manufacturer="AVX Corporation", Operating Temperature="-55°C ~ 125°C", Package / Case="0603 (1608 Metric)", Ratings=-, Supplier Part Number 1=478-1239-2-ND, Temperature Coefficient=X7R, Tolerance=±10%, Voltage - Rated=16V, Applications="General Purpose", Category 1=Capacitors, ComponentLink1Description=http://www.avx.com/docs/Catalogs/cx7r.pdf, ComponentLink1URL=http://www.avx.com/docs/Catalogs/cx7r.pdf, Description 1="CAP CERM .1UF 10% 16V X7R 0603", Features=-, Lead Spacing=-, Lead Style=-, Manufacturer Part Number=0603YC104KAT2A, Mounting Type="Surface Mount, MLCC", OPI_VID=100039, Packaging="Tape & Reel (TR)", Pricing 1="4000=0.003, 12000=0.002, 24000=0.002 (USD)", RoHS 1="RoHS Compliant", Size / Dimension="0.063\" L x 0.031\" W (1.60mm x 0.80mm)", Stock 1=5240000, Supplier 1=Digi-Key, Thickness="0.90mm Max"
CANADAFLAG1 CANADAFLAG2: library part CanadaFlag
D1 D4: "DIODE SCHOTTKY 1A 200V PWRDI 123", Capacitance @ Vr, F="23pF @ 5V, 1MHz", Current - Average Rectified (Io)=1A, Current - Reverse Leakage @ Vr="2µA @ 200V", Manufacturer="Diodes Inc", Package / Case="2-SMD, Flat Lead", Supplier Device Package="PowerDI™ 123", Supplier Part Number 1=DFLS1200DITR-ND, Voltage - DC Reverse (Vr) (Max)=200V, Voltage - Forward (Vf) (Max) @ If="850mV @ 1A", Category="Discrete Semiconductor Products", ComponentLink1Description=http://www.diodes.com/datasheets/ds30628.pdf, ComponentLink1URL=http://www.diodes.com/datasheets/ds30628.pdf, Diode Type=Schottky, Manufacturer Part Number=DFLS1200-7, Mounting Type="Surface Mount", OPI_VID=101018, Packaging="Tape & Reel (TR)", Pricing 1="3000=0.22411, 6000=0.21017, 12000=0.19516, 27000=0.18444, 51000=0.18122 (CAD)", Reverse Recovery Time (trr)=-, RoHS="RoHS Compliant", Speed="Fast Recovery =< 500ns, > 200mA (Io)", Stock 1=21000, Supplier 1=Digi-Key